# Altium PCB board_layout.pcbdoc (part 1 of 4) (continued)
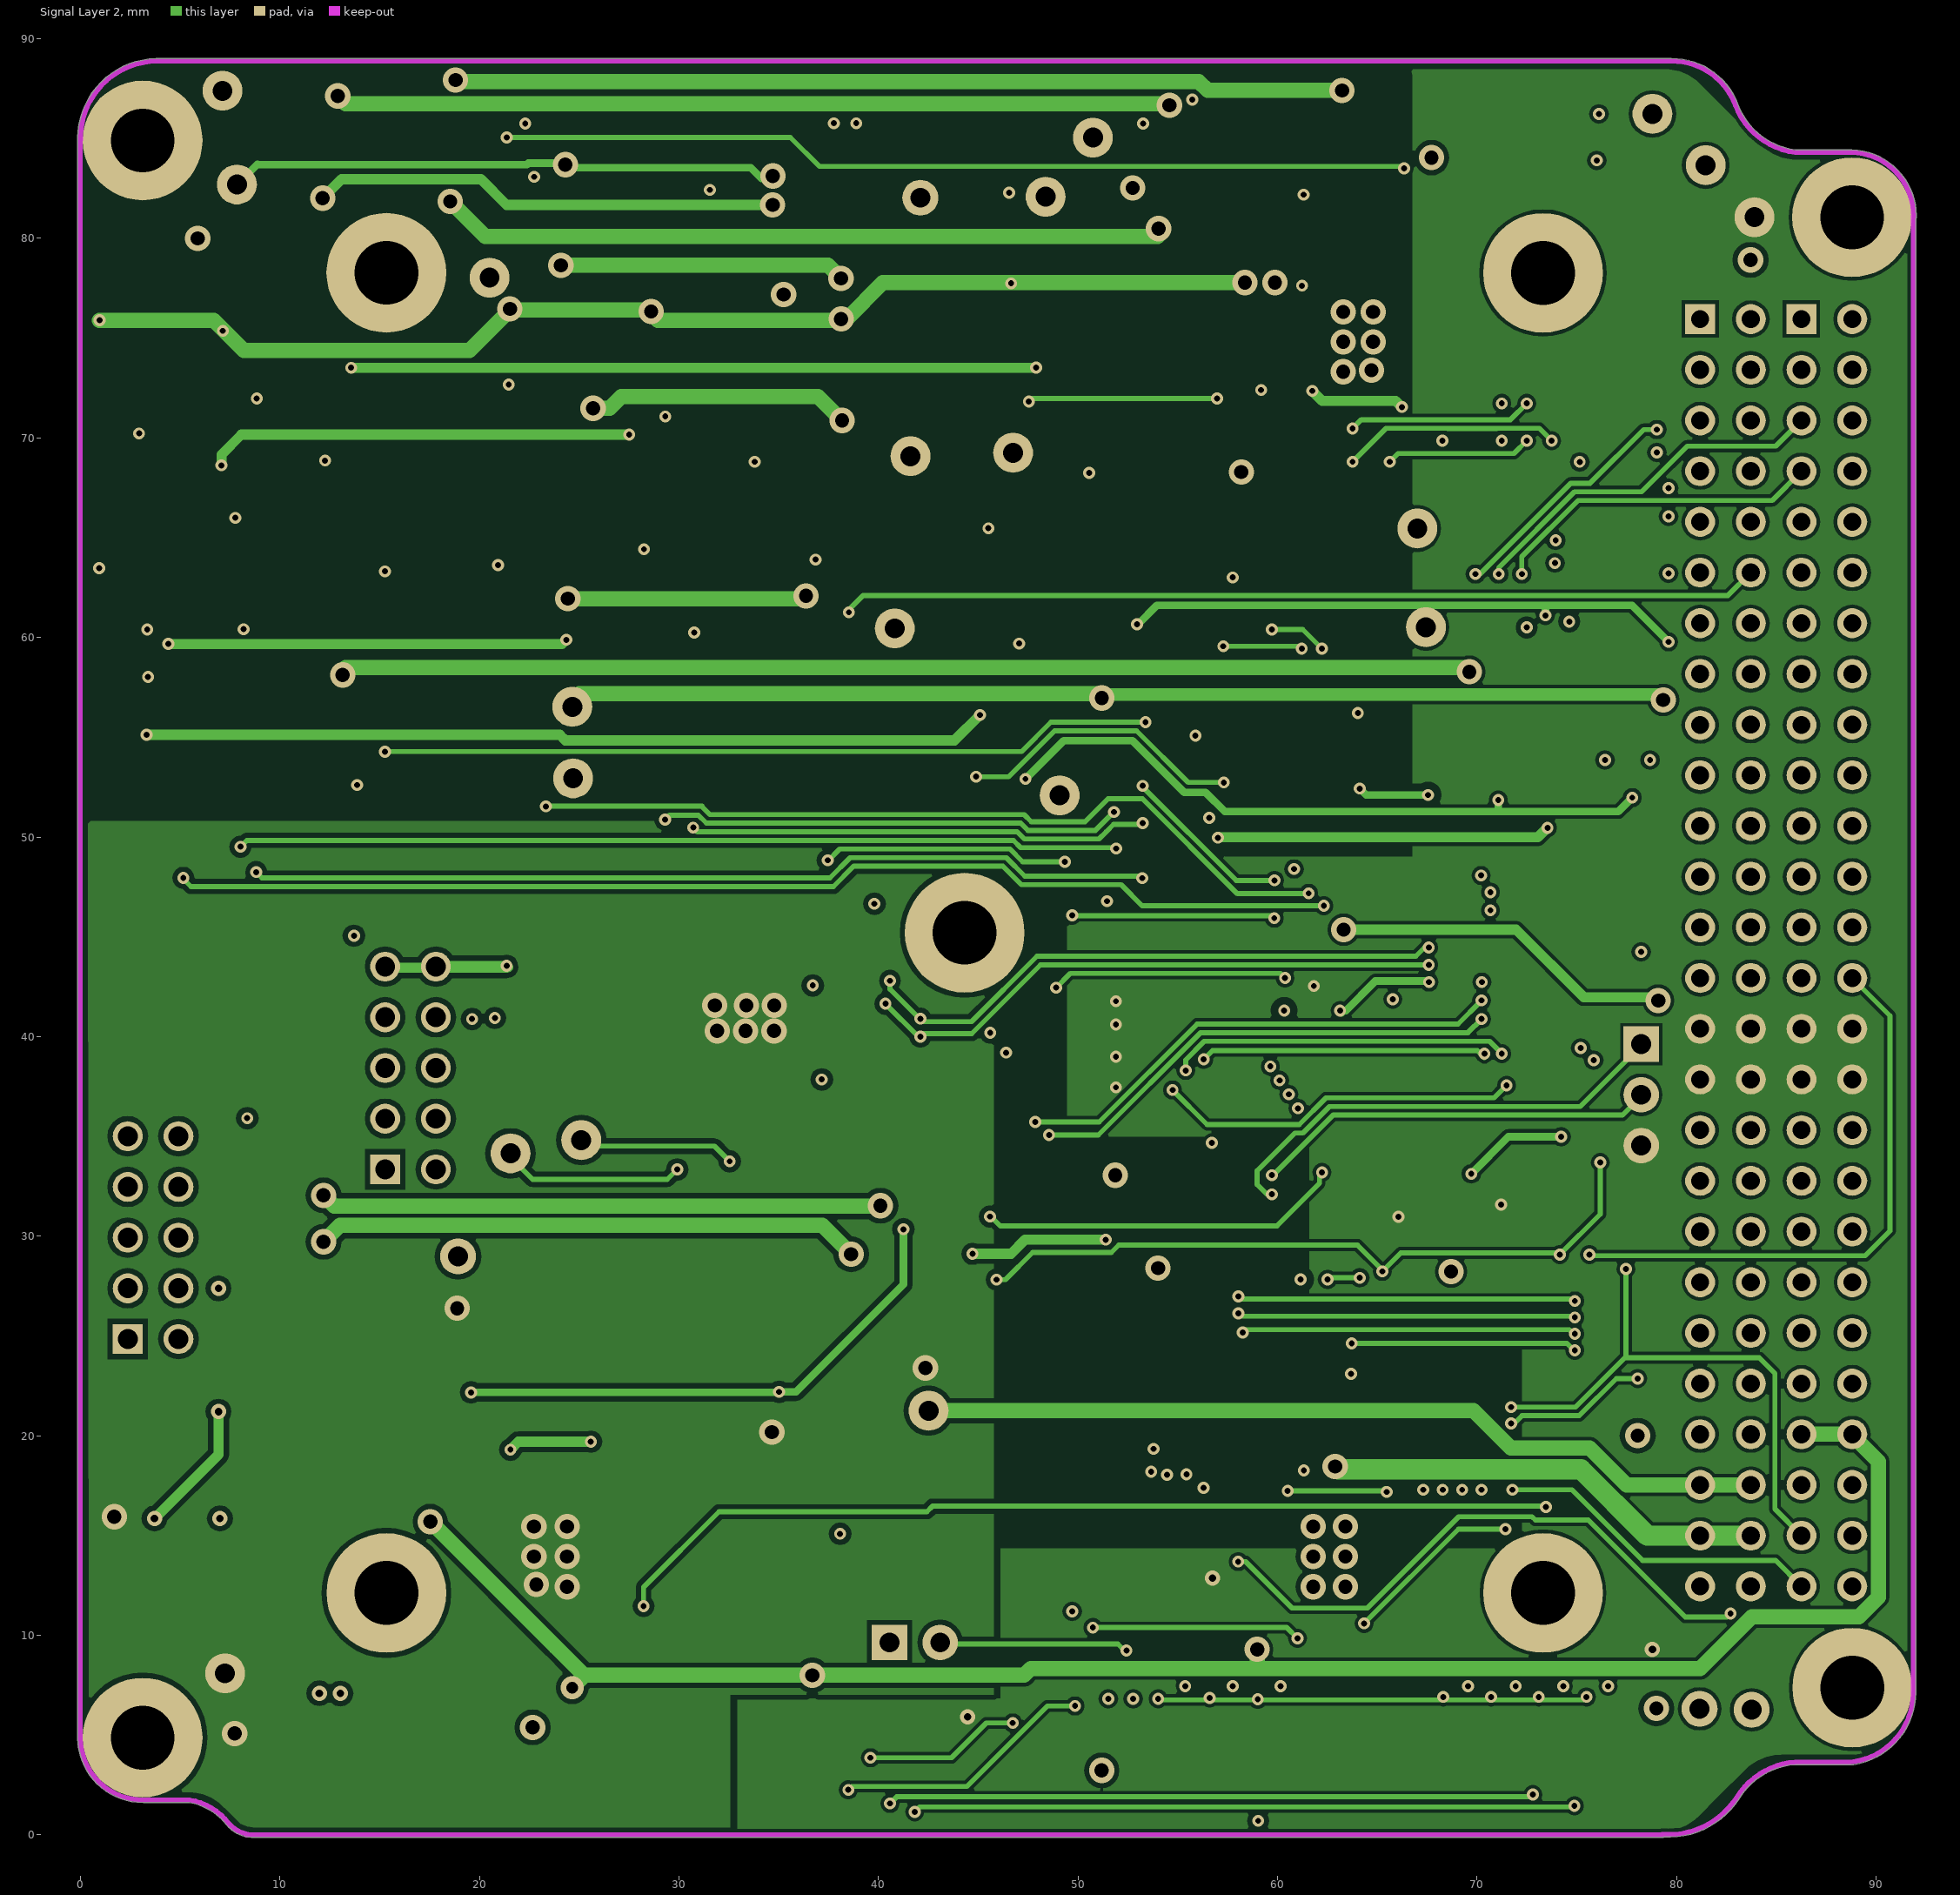
[diagram p3: Signal Layer 2]

## Layer stack, top to bottom
Top Solder: solder mask 0.01, Solder Resist, Dk 3.5
Top Layer: signal copper 0.035
Dielectric 1: prepreg 0.11, Dk 4.2
Signal Layer 1: signal copper 0.035
Core: core 1.2, FR-4, Dk 4.2
Signal Layer 2: signal copper 0.036
Dielectric 2: prepreg 0.11, Dk 4.2
Bottom Layer: signal copper 0.035
Bottom Solder: solder mask 0.01, Solder Resist, Dk 3.5

## Board outline
7.336,0.495 ccw(c4.976,-1.295) 5.465,1.627 3.15,1.627 cw(c3.125,4.879) -0.127,4.853 -0.127,85.004 cw(c0,85.004) -0.124,85.033 cw(c3.879,85.004) 3.799,89.006 cw(c3.818,88.801) 3.825,89.007 79.724,89.007 cw(c79.778,85.507) 83.069,86.699 ccw(c86.406,87.974) 85.946,84.432 88.775,84.432 cw(c88.701,81.13) 92.003,81.132 cw(c88.779,81.131) 92.002,81.056 cw(c91.875,81.059) 91.98,80.987 91.98,7.734 cw(c87.982,7.439) 91.98,7.144 cw(c88.324,7.144) 88.869,3.528 cw(c88.851,3.642) 88.85,3.527 85.955,3.527 ccw(c86.222,-0.119) 83.133,1.837 cw(c79.59,4.087) 79.349,-0.104 cw(c79.275,0) 79.275,-0.127 8.726,-0.127 cw(c8.705,1.688)

## Design rules (kind name [scope] priority, off if disabled: settings)
Clearance Clearance_2 [InNet('VPANELS') vs InNet('VPANELS')] p1: gap=0 ignorepadtopadclearanceinfootprint=FALSE
Clearance Clearance_1 [InNet('PGND')] p2: gap=0.254 ignorepadtopadclearanceinfootprint=FALSE except(0: Arc-Hole Track-Hole SMDPad-Hole THPad-Hole Via-Hole Fill-Hole Poly-Hole Region-Hole Text-Hole)
Clearance Clearance_6 [InNet('+RBF') vs InNet('+RBF')] p3: gap=0 ignorepadtopadclearanceinfootprint=FALSE
Clearance Clearance_7 [InNet('DGND') vs InNet('AGND')] p4: gap=0.381 ignorepadtopadclearanceinfootprint=FALSE except(0: Arc-Hole Track-Hole SMDPad-Hole THPad-Hole Via-Hole Fill-Hole Poly-Hole Region-Hole Text-Hole)
Clearance Clearance_5 [InNet('DGND')] p5: gap=0.178 ignorepadtopadclearanceinfootprint=FALSE except(0: Arc-Hole Track-Hole SMDPad-Hole THPad-Hole Via-Hole Fill-Hole Poly-Hole Region-Hole Text-Hole)
Clearance [InNet('AGND') vs InNet('AGND')] p6: gap=0.178 ignorepadtopadclearanceinfootprint=FALSE except(0: Arc-Hole Track-Hole SMDPad-Hole THPad-Hole Via-Hole Fill-Hole Poly-Hole Region-Hole Text-Hole)
Clearance Clearance_4 [InNet('-VBAT') vs InNet('-VBAT')] p7: gap=0 ignorepadtopadclearanceinfootprint=FALSE
Clearance Clearance_3 [InNet('Net7_1') vs InNet('Net7_1')] p8: gap=0 ignorepadtopadclearanceinfootprint=FALSE
Clearance Clearance_8 [All] p9: gap=0.178 ignorepadtopadclearanceinfootprint=FALSE except(0: Arc-Hole Track-Hole SMDPad-Hole THPad-Hole Via-Hole Fill-Hole Poly-Hole Region-Hole Text-Hole)
ComponentClearance [InComponent('P5')] p1: gap=0 collisioncheckmode=3 verticalgap=0 showdistances=FALSE
ComponentClearance ComponentClearance_1 [All] p2: gap=0.254 collisioncheckmode=3 verticalgap=0.254 showdistances=FALSE
DiffPairsRouting [All] p1: maxlimit=0.254 minlimit=0.381 mostfreqgap=0.381 toplayer_minwidth=0.254 toplayer_maxwidth=0.381 toplayer_prefwidth=0.254 midlayer1_minwidth=0.254 midlayer1_maxwidth=0.381 midlayer1_prefwidth=0.254 midlayer2_minwidth=0.254 midlayer2_maxwidth=0.381 midlayer2_prefwidth=0.254 bottomlayer_minwidth=0.254 bottomlayer_maxwidth=0.381 bottomlayer_prefwidth=0.254 maxuncoupledlength=12.7
Height ['PCB_Project_Batteries'] p1: minheight=0 maxheight=1790.783 prefheight=12.7
HoleSize [All] p1: absolutevalues=TRUE maxlimit=5.08 minlimit=0.025 maxpercent=80.000 minpercent=20.000
MinimumSolderMaskSliver [All] p1: minsoldermaskwidth=0
PlaneConnect [InNetClass('power')] p1: planeconnectstyle=Direct reliefexpansion=0.508 reliefentries=4 reliefconductorwidth=0.254 reliefairgap=0.254
PlaneConnect PlaneConnect_1 [All] p2: planeconnectstyle=Relief reliefexpansion=0.508 reliefentries=4 reliefconductorwidth=0.254 reliefairgap=0.254
PolygonConnect PolygonConnect_4 [InNet('PGND') vs InNet('PGND')] p1: connectstyle=Direct reliefconductorwidth=0.254 reliefentries=4 polygonreliefangle="90 Angle" airgapwidth=0.254
PolygonConnect PolygonConnect_3 [InNet('DGND') vs InNet('DGND')] p2: connectstyle=Direct reliefconductorwidth=0.254 reliefentries=4 polygonreliefangle="90 Angle" airgapwidth=0.254
PolygonConnect PolygonConnect_2 [InNet('AGND') vs InNet('AGND')] p3: connectstyle=Direct reliefconductorwidth=0.254 reliefentries=4 polygonreliefangle="90 Angle" airgapwidth=0.254
PolygonConnect [InNetClass('power')] p4: connectstyle=Direct reliefconductorwidth=0.254 reliefentries=4 polygonreliefangle="90 Angle" airgapwidth=0.254
PolygonConnect PolygonConnect_1 [All] p5: connectstyle=Relief reliefconductorwidth=0.254 reliefentries=4 polygonreliefangle="90 Angle" airgapwidth=0.254
RoutingVias [All] p1: holewidth=0.254 width=0.508 viastyle="Through Hole" minholewidth=0.127 minwidth=0.254 maxholewidth=1.27 maxwidth=1.27
SilkToSilkClearance [All] p1: silktosilkclearance=0.127
SilkToSolderMaskClearance [IsPad] p1: minsilkscreentomaskgap=0 clearancetoexposedcopper=TRUE
SolderMaskExpansion [All] p1: expansion=0.178 istentingtop=FALSE
Width [All] p1: maxlimit=1.778 minlimit=0.127 preferedwidth=0.381
22 further rules are at their usual default settings.

## Classes and differential pairs
component class 0_architecture: FD1 FD2 FD3 FD4 FD5 FD6 MEC1 MEC2 MEC3 MEC4 MEC5 MEC6 MEC7 MEC8 MEC9
component class Interface: +X +Y +Z -X -Y -Z CN1 FB3 FB4 P1 P3 P5 P8 PC104 R87 R88 R89 R90 R91 R_ESD RBF RTD1 RTD2 SBW SW1 SW2 UART
component class dc_dc_3V3_OBDH_and_3V3_Deployment_ANT: 3V3_ANT 3V3_OBDH 3V3ANT 3V3OBDH C21 C22 C23 C24 C25 C26 C27 C28 C29 C30 C31 C131 D3 D4 L3 L4 R15 R16 R17 R18 R19 R20 R21 R22 R23 R24 U3 U4
component class Measurement_and_MPPT: +L1 +L2 +L3 -L1 -L2 -L3 C72 C73 C74 C75 C76 C77 C78 C79 C80 C81 C82 C83 C84 C85 C86 C87 C88 C89 C90 C91 C93 C94 C97 C98 C99 C100 C101 C102 C103 C104 C105 C106 C107 C108 C109 C110 C111 C112 C113 C114 C115 C116 C117 C118 D7 D11 D12 D13 D14 D15 D16 D17 D18 J_V5 L7 L8 L9 Q8 Q9 Q10 R29 R30 R41 R48 R49 R67 R68 R69 R70 R71 R72 R73 R74 R75 R76 R77 R78 R79 R81 R82 TP6 TP7 TP9 U15 U16 U17 U18 U19 U20 U21 U22 U24 U25 Vpanels
component class MCU_EPS: 3V3_MCU C57 C58 C59 C60 C61 C62 C63 C64 C65 C66 C67 C68 C69 C70 C122 C123 C124 C125 C133 J_V3 J_V4 R60 R61 R62 R64 R65 R66 R80 R83 R84 SYSTEM_FAULT SYSTEM_ON U12 U13 U28 V1 V2 V3 V4 Y1 Y2
component class dc_dc_5V_Payloads: 5_V 5V 5V_PAYLOADS_LED C52 C53 C54 C55 C56 C132 D10 L6 R55 R56 R57 R58 R59 U10
component class dc_dc_3V3_EPS_TTC: 3V3_EPS 3V3_EPS_BEACON 3V3EPS C44 C45 C46 C47 C48 C49 C50 C51 C71 C128 C129 C130 D9 FB1 L5 R36 R50 R51 R52 R53 R54 Rsense3 U9 U27
component class Battery_Monitoring_And_Switches: C37 C38 C39 C40 C41 C119 C120 C121 CC D5 D6 D8 DC Q3 Q4 Q5 Q6 R31 R33 R34 R35 R37 R38 R39 R40 R42 R43 R44 R45 R46 R47 R85 R86 R92 R93 RSense1 U6 U7 U26 VBUS_LED VBus_TP
component class Battery_Heater_Controller: C32 C33 C34 C35 C36 C126 C127 J_V1 J_V6 JP8 Q1 Q2 R25 R26 R27 R28 R32 TP1 TP2 U5
component class "5V Main Radio/Beacon": 3V3PA1 5V_M_RADIO 5V_MAIN_RADIO 5V_RADIO_0 5V_RADIO_0_LED 6V_RADIO_1 6V_RADIO_1_LED C1 C2 C3 C4 C5 C6 C7 C8 C9 C10 C11 C12 C13 C14 C15 C16 C17 C18 C19 C20 D1 D2 L1 L2 R1 R2 R3 R4 R5 R6 R7 R8 R9 R10 R11 R12 R13 R14 U2 U14
net class power: 5V_Radio_0 6V_Radio_1 +RBF -VBAT Net3V3ANT_1 Net3V3OBDH_1 Net-L1_1 Net-L2_1 Net-L3_1 NetC1_1 NetC1_2 NetC5_1 NetC11_1 NetC11_2 NetC15_1 NetC21_2 NetC26_2 NetC44_2 NetC47_2 NetC52_2 NetC55_1 V_CHARGING_BATTERIES VPANELS
differential pair VSENSE6: +VSENSE6_P -VSENSE6_N
differential pair VSENSE5: +VSENSE5_P -VSENSE5_N
differential pair VSENSE4: +VSENSE4_P -VSENSE4_N
differential pair VSENSE3: +VSENSE3_P -VSENSE3_N
differential pair VSENSE2: +VSENSE2_P -VSENSE2_N
differential pair VSENSE1: +VSENSE1_P -VSENSE1_N
differential pair V_SENSE0: +V_SENSE0_P -V_SENSE0_N

## Components (designator, comment, footprint, x,y, rotation, side; value= is the part's Value field where it differs from the comment)
3V3_ANT "DNP" 0603-LED 76.243,58.696 r90 bottom
3V3_EPS_BEACON "DNP" 0603-LED 43.354,25.702 r270 bottom
3V3_MCU "DNP" 0603-LED 74.479,58.696 r90 bottom
3V3_OBDH "DNP" 0603-LED 72.716,58.696 r90 bottom
3V3ANT "TEST_POINT" TEST_POINT#1 67.006,65.466 r90 top
3V3EPS "TEST_POINT" TEST_POINT#1 24.656,56.526 r90 top
3V3OBDH "TEST_POINT" TEST_POINT#1 67.436,60.516 r90 top
5V "TEST_POINT" TEST_POINT#1 42.512,21.256 r0 top
5V_PAYLOADS_LED "DNP" 0603-LED 41.226,25.753 r270 bottom
5V_RADIO_0 "TEST_POINT" TEST_POINT#2 83.76,6.27 r90 top
5V_RADIO_0_LED "DNP" 0603-LED 59.818,2.35 r270 bottom
6V_RADIO_1 "TEST_POINT" TEST_POINT#2 81.15,6.32 r270 top
6V_RADIO_1_LED "DNP" 0603-LED 61.671,2.35 r270 bottom
+L1 "TEST_POINT" TEST_POINT#1 24.696,52.946 r0 top
+L2 "TEST_POINT" TEST_POINT#1 7.85,82.7 r0 top
+L3 "TEST_POINT" TEST_POINT#1 50.746,85.046 r0 top
+X "Header 4_PicoBlade" "HDR4 PicoBlade" 8.056,70.429 r180 top
+Y "Header 4_PicoBlade" "HDR4 PicoBlade" 8.056,45.163 r180 top
+Z "Header 4_PicoBlade" "HDR4 PicoBlade" 8.056,57.796 r180 top
-L1 "TEST_POINT" TEST_POINT#1 40.816,60.456 r0 top
-L2 "TEST_POINT" TEST_POINT#1 41.606,69.086 r0 top
-L3 "TEST_POINT" TEST_POINT#2 42.096,82.036 r0 top
-X "Header 4_PicoBlade" "HDR4 PicoBlade" 8.056,64.113 r180 top
-Y "Header 4_PicoBlade" "HDR4 PicoBlade" 8.056,76.746 r180 top
-Z "Header 4_PicoBlade" "HDR4 PicoBlade" 8.056,51.479 r180 top
C1 "0.1uF/50V" CC0805 58.756,17.736 r0 top
C2 "0.1uF/50V" CC0805 55.201,15.326 r90 top
C3 "4.7uF/25V" CC0805 56.716,15.326 r90 top
C4 "4.7uF/25V" CC0805 53.686,15.326 r90 top
C5 "0.1uF/50V" CC0805 74.286,17.536 r0 top
C6 "22uF/10V" CC1206 74.926,23.016 r0 top
C7 "22uF/10V" CC1206 74.936,21.106 r0 top
C8 "22uF/10V" CC1206 74.936,19.216 r0 top
C9 "13pF/50V" CC0603 68.376,13.516 r0 top
C10 "5.6nF/100V" CC0603 68.376,11.186 r180 top
C11 "0.1uF/50V" CC0805 39.85,19.386 r0 top
C12 "0.1uF/50V" CC0805 34.078,17.298 r90 top
C13 "4.7uF/25V" CC0805 37.198,17.298 r90 top
C14 "4.7uF/25V" CC0805 35.648,17.298 r90 top
C15 "0.1uF/50V" CC0805 54.996,21.226 r0 top
C16 "22uF/10V" CC1206 55.286,26.706 r0 top
C17 "22uF/10V" CC1206 55.286,24.841 r0 top
C18 "22uF/10V" CC1206 55.286,22.976 r0 top
C19 "13pF/50V" CC0603 49.416,15.13 r0 top
C20 "5.6nF/100V" CC0603 49.336,12.72 r180 top
C21 "0.01uF/50V" CC0805 68.116,71.306 r180 top
C22 "0.1uF/50V" CC0805 58.726,74.746 r90 top
C23 "10uF/25V" CC1206 56.796,75.546 r90 top
C24 "220uF/6.3V" cc1210 60.256,54.066 r180 top
C25 "0.1uF/50V" CC0805 60,51.29 r180 top
C26 "0.01uF/50V" CC0805 62.466,39.806 r0 top
C27 "0.1uF/50V" CC0805 70.916,35.586 r270 top
C28 "10uF/25V" CC1206 72.68,34.87 r270 top
C29 "0.1uF/50V" CC0805 74.626,62.426 r180 top
C30 "22uF/10V" CC1206 74.646,59.506 r180 top
C31 "220uF/6.3V" cc1210 74.776,57.006 r180 top
C32 "0.01uF/50V" CC0805 68.046,25.696 r270 bottom
C33 "10uF/10V" CC0805_Tantalum 69.926,25.706 r270 bottom
C34 "0.01uF/50V" CC0805 56.846,21.896 r270 bottom
C35 "10uF/10V" CC0805_Tantalum 55.086,21.846 r270 bottom
C36 "22uF/25V" CC1210 69.966,21.086 r270 bottom
C37 "1000pF/50V" CC0603 34.746,28.336 r270 bottom
C38 "1000pF/50V" CC0603 28.226,28.383 r90 bottom
C39 "0.47uF/50V" CC0603 35.466,38.396 r0 bottom
C40 "0.1uF/50V" CC0603 22.696,44.786 r180 bottom
C41 "0.1uF/50V" CC0603 22.696,40.113 r180 bottom
C44 "0.01uF/50V" CC0805 37.656,44.086 r270 top
C45 "0.1uF/50V" CC0805 34.972,35.716 r180 top
C46 "10uF/25V" CC1206 35.672,33.804 r0 top
C47 "0.1uF/50V" CC0805 62.616,30.996 r270 top
C48 "22uF/10V" CC1206 58.066,31.086 r90 top
C49 "220uF/6.3V" cc1210 55.766,31.486 r90 top
C50 "22uF/25V" CC1210 46.276,32.716 r180 bottom
C51 "22uF/25V" CC1210 51.926,25.726 r270 bottom
C52 "0.01uF/50V" CC0805 19.956,17.836 r0 top
C53 "0.1uF/50V" CC0805 29.486,13.741 r270 top
C54 "10uF/25V" CC1206 31.246,13.056 r270 top
C55 "0.1uF/50V" CC0805 38.286,24.156 r0 top
C56 "220uF/6.3V" cc1210 38.886,26.346 r0 top
C57 "1nF/16V" CC0805 52.11,5.43 r0 bottom
C58 "0.1uF/50V" CC0603 74.886,50.086 r270 bottom
C59 "0.1uF/50V" CC0603 64.326,53.466 r0 bottom
C60 "10uF/10V" CC0805_Tantalum 76.596,50.426 r270 bottom
C61 "10uF/10V" CC0805_Tantalum 64.286,54.946 r0 bottom
C62 "0.1uF/50V" CC0805 61.526,64.506 r180 bottom
C63 "0.1uF/50V" CC0603 61.206,54.086 r0 bottom
C64 "10uF/10V" CC0805_Tantalum 61.576,66.356 r0 bottom
C65 "0.47uF/50V" CC0603 76.006,47.656 r0 bottom
C66 "0.01uF/25V" CC0603 64.646,60.026 r90 bottom
C67 "12pF/50V" CC0603 68.036,55.946 r90 bottom
C68 "10pF/100V" CC0805 52.226,38.766 r135 bottom
C69 "12pF/50V" CC0603 69.926,55.906 r90 bottom
C70 "10pF/100V" CC0805 51.956,42.176 r225 bottom
C71 "0.1uF/50V" CC0603 18.896,68.056 r180 bottom
C72 "0.1uF/50V" CC0603 12.246,72.096 r180 bottom
C73 "0.1uF/50V" CC0603 5.916,71.836 r180 bottom
C74 "0.1uF/50V" CC0603 12.656,60.776 r180 bottom
C75 "0.1uF/50V" CC0603 6.566,59.876 r180 bottom
C76 "0.1uF/50V" CC0603 34.186,72.276 r180 bottom
C77 "0.1uF/50V" CC0805 16.486,46.356 r0 top
C78 "0.1uF/50V" CC0805 18.156,48.026 r0 top
C79 "22uF/25V" CC1210 20.606,50.496 r0 top
C80 "22uF/25V" CC1210 20.606,58.859 r0 top
C81 "22uF/25V" CC1210 20.606,56.071 r0 top
C82 "22uF/25V" CC1210 20.606,53.284 r0 top
C83 "0.1uF/50V" CC0603 13.206,84.996 r270 bottom
C84 "0.1uF/50V" CC0603 19.646,85.446 r90 bottom
C85 "0.1uF/50V" CC0603 27.836,71.686 r180 bottom
C86 "0.1uF/50V" CC0603 8.965,55.218 r90 bottom
C87 "0.1uF/50V" CC0603 5.536,51.916 r180 bottom
C88 "0.1uF/50V" CC0603 33.726,60.406 r180 bottom
C89 "0.1uF/50V" CC0603 27.426,59.786 r180 bottom
C90 "0.1uF/50V" CC0603 29.266,85.656 r270 bottom
C91 "0.1uF/50V" CC0603 35.496,86.626 r90 bottom
C93 "0.1uF/50V" CC0603 51.746,71.976 r180 bottom
C94 "0.1uF/50V" CC0603 45.476,71.526 r180 bottom
C97 "0.1uF/50V" CC0603 50.006,60.156 r0 bottom
C98 "0.1uF/50V" CC0603 42.547,85.656 r270 bottom
C99 "0.1uF/50V" CC0603 49.116,86.096 r90 bottom
C100 "0.1uF/50V" CC0603 45.186,59.776 r180 bottom
C101 "0.1uF/50V" CC0603 42.366,75.886 r270 bottom
C102 "4.7uF/25V" CC0805 22.656,64.436 r90 bottom
C103 "4.7uF/25V" CC0805 23.156,76.236 r90 bottom
C104 "4.7uF/25V" CC0805 40.746,76.066 r90 bottom
C105 "4.7uF/25V" CC0805 1.666,76.466 r90 bottom
C106 "4.7uF/25V" CC0805 1.796,64.696 r90 bottom
C107 "4.7uF/25V" CC0805 39.745,64.353 r90 bottom
C108 "0.1uF/50V" CC0603 24.226,64.246 r270 bottom
C109 "0.1uF/50V" CC0603 24.656,75.986 r270 bottom
C110 "0.1uF/50V" CC0603 41.625,64.053 r270 bottom
C111 "0.1uF/50V" CC0603 3.006,76.166 r270 bottom
C112 "0.1uF/50V" CC0603 3.226,64.386 r270 bottom
C113 "0.1uF/50V" CC0603 31.896,83.486 r0 bottom
C114 "0.1uF/50V" CC0603 16.096,82.696 r0 bottom
C115 "0.1uF/50V" CC0603 6.036,56.686 r180 bottom
C116 "0.1uF/50V" CC0603 45.746,83.396 r0 bottom
C117 "22uF/25V" CC1210 20.606,61.646 r0 top
C118 "22uF/25V" CC1210 20.606,64.433 r0 top
C119 "0.1uF/50V" CC0603 59.266,82.226 r0 bottom
C120 "0.1uF/50V" CC0603 61.826,84.541 r90 bottom
C121 "0.1uF/50V" CC0603 58.856,87.276 r180 bottom
C122 "0.1uF/50V" CC0603 55.036,44.786 r90 bottom
C123 "10uF/10V" CC0805_Tantalum 53.336,45.726 r90 bottom
C124 "0.1uF/50V" CC0603 65.246,31.876 r0 bottom
C125 "10uF/10V" CC0805_Tantalum 65.246,30.326 r0 bottom
C126 "0.1uF/50V" CC0805 21.046,80.122 r180 top
C127 "0.1uF/50V" CC0805 21.086,81.732 r180 top
C128 "0.1uF/50V" CC0603 15.106,60.356 r270 bottom
C129 "0.1uF/50V" CC0603 14.766,65.216 r90 bottom
C130 "4.7uF/25V" CC0805 19.066,69.646 r0 bottom
C131 "22uF/10V" CC1206 60.286,56.506 r180 top
C132 "22uF/10V" CC1206 38.866,28.656 r0 top
C133 "0.1uF/50V" CC0603 70.65,65.09 r0 bottom
CC "TEST_POINT" TEST_POINT#1 25.106,34.816 r180 bottom
CN1 "826646-2" "HDR 1X2" 41.82,9.643 r0 top
D1 "FSV530AF" DO-214AC 67.486,19.666 r0 top
D2 "FSV530AF" DO-214AC 48.126,19.666 r0 top
D3 "CMS06(TE12L,Q,M)" cms06 58.916,70.266 r180 top
D4 "B340LA-13-F" DO-214AC 70.426,40.816 r0 top
D5 "3SMAJ5919B-TP" DO-214AC 37.556,49.826 r180 bottom
D6 "3SMAJ5919B-TP" DO-214AC 38.406,34.756 r0 bottom
D7 "DNP" SOD323F 10.325,70.226 r180 bottom
D8 "DNP" SOD323F 44.175,36.326 r270 bottom
D9 "B340LA-13-F" DO-214AC 41.576,35.966 r270 top
D10 "B220-13-F" DO-214AA 29.666,19.656 r0 top
D11 "B340LA-13-F" DO-214AC 21.736,67.566 r0 top
D12 "DNP" SOD323F 10.625,59.275 r180 bottom
D13 "B340LA-13-F" DO-214AC 21.736,70.973 r0 top
D14 "DNP" SOD323F 32.1,70.8 r180 bottom
D15 "B340LA-13-F" DO-214AC 21.736,74.38 r0 top
D16 "DNP" SOD323F 31.775,58.675 r180 bottom
D17 "DNP" SOD323F 49.725,70.55 r180 bottom
D18 "DNP" SOD323F 49.7,58.5 r180 bottom
DC "TEST_POINT" TEST_POINT#1 21.566,34.156 r180 bottom
FB1 "30R@100Mhz, 3A" IND0805 47.916,29.746 r270 bottom
FB3 "30R@100Mhz, 10A" IND1210 46.186,11.966 r180 bottom
FB4 "30R@100Mhz, 10A" IND1210 46.186,16.756 r180 bottom
FD1 "Fiducial 1.3" "Fiducial 1.3mm" 78.76,80.52 r0 top
FD2 "Fiducial 1.3" "Fiducial 1.3mm" 24.66,39.49 r0 top
FD3 "Fiducial 1.3" "Fiducial 1.3mm" 82.54,8.98 r0 top
FD4 "Fiducial 1.3" "Fiducial 1.3mm" 71.68,84.79 r180 bottom
FD5 "Fiducial 1.3" "Fiducial 1.3mm" 3.14,11.89 r180 bottom
FD6 "Fiducial 1.3" "Fiducial 1.3mm" 65.04,5.46 r180 bottom
J_V1 "0R" 0805 74.38,22.49 r0 bottom
J_V3 "0R" 0805 48.636,55.41 r0 bottom
J_V4 "0R" 0805 55.664,60.69 r90 bottom
J_V5 "0R" 0805 59.94,79.45 r0 bottom
J_V6 "0R" 0805 55.926,26.176 r90 bottom
L1 "2.2uH/9A 15mOHM" Ind_SRP6540 65.646,25.006 r0 top
L2 "2.2uH/9A 15mOHM" Ind_SRP6540 45.806,24.756 r0 top
L3 "27uH/4.3A/42.5mOHM" IND_744325xxx 62.826,62.816 r90 top
L4 "16uH/5A/34.5mOHM" IND_744325xxx 67.366,49.386 r270 top
L5 "16uH/5A/34.5mOHM" IND_744325xxx 49.046,39.366 r180 top
L6 "10uH/6.4A/51.8mOHM" Ind_IHLP 26.866,27.226 r0 top
L7 "22uH/6.3/25.7mOHM" IND_HC9 28.076,53.576 r270 top
L8 "22uH/6.3/25.7mOHM" IND_HC9 28.076,67.466 r270 top
L9 "22uH/6.3/25.7mOHM" IND_HC9 28.076,81.236 r270 top
MEC1 "M3" "M3 hole" 15.339,12.125 r0 top
MEC2 "M3" "M3 hole" 73.302,12.125 r0 top
MEC3 "M3" "M3 hole" 44.321,45.207 r0 top
MEC4 "M3" "M3 hole" 88.8,7.379 r0 top
MEC5 "M3" "M3 hole" 3.125,84.904 r0 top
MEC6 "M3" "M3 hole" 88.791,81.058 r0 top
MEC7 "M3" "M3 hole" 15.336,78.276 r0 top
MEC8 "M3" "M3 hole" 73.302,78.267 r0 top
MEC9 "M3" "M3 hole" 3.125,4.879 r0 top
P1 "Header 5X2IPS1-105-01-S-D" IPS1-105-01-S-D 15.28,33.35 r90 top
P3 "0532610471" "PICOBLADE 4PIN RIGHT ANGLE" 27.4,4.05 r0 top
P5 "Header 5X2IPS1-105-01-S-D" IPS1-105-01-S-D 2.38,24.85 r90 top
P8 "0532610871" "PICOBLADE 8PIN RIGHT ANGLE" 16.975,85.225 r180 top
PC104 "PC104" PC104 88.876,12.456 r90 top locked
Q1 "MOSFET-N" SOIC8_Mosfet 57.452,80.381 r90 top
Q2 "MOSFET-N" SOIC8_Mosfet 65.422,80.381 r90 top
Q3 "MOSFET-P-SI4403CDY-T1-GE3" SOIC8_Mosfet 9.656,26.576 r0 top
Q4 "MOSFET-P-SI4403CDY-T1-GE3" SOIC8_Mosfet 9.666,20.766 r0 top
Q5 "MOSFET-P-SI4403CDY-T1-GE3" SOIC8_Mosfet 9.376,23.576 r0 bottom
Q6 "MOSFET-P-SI4403CDY-T1-GE3" SOIC8_Mosfet 9.376,17.386 r0 bottom
Q8 "MOSFET-N" SOIC8_Mosfet 48.975,54.784 r180 top
Q9 "MOSFET-N" SOIC8_Mosfet 49.026,63.132 r180 top
Q10 "MOSFET-N" SOIC8_Mosfet 48.986,76.136 r180 top
R1 "1k" 0603 61.648,5.008 r270 bottom
R2 "0R" 1206 55.476,10.906 r0 top
R3 "0R" 1206 78.636,14.166 r90 top
R4 "75k" 0805 67.559,9.116 r0 top
R5 "19.6k" 0603 68.306,12.326 r180 top
R6 "11.5k" 0805 64.099,9.116 r0 top
R7 "140k" 0603 60.966,10.796 r180 top
R8 "1k" 0603 59.796,5.008 r270 bottom
R9 "0R" 1206 35.545,13.616 r0 top
R10 "0R" 1206 59.376,19.616 r180 top
R11 "60.4k" 0805 48.07,10.19 r270 top
R12 "19.6k" 0603 49.416,13.89 r180 top
R13 "11.5k" 0805 46,10.39 r90 top